# Altium PCB MB1191.PcbDoc (part 5 of 7)
Units mm, origin at the board's own origin, x right, y up, seen from the top; angles counter-clockwise.
Board outline 130 x 80 mm, 8 copper layers (Top, F2, F3, F4, F5, F6, F7, Bottom), stack 1.115 mm thick; 358 components, 347 nets, 1452 pads, 1074 vias.
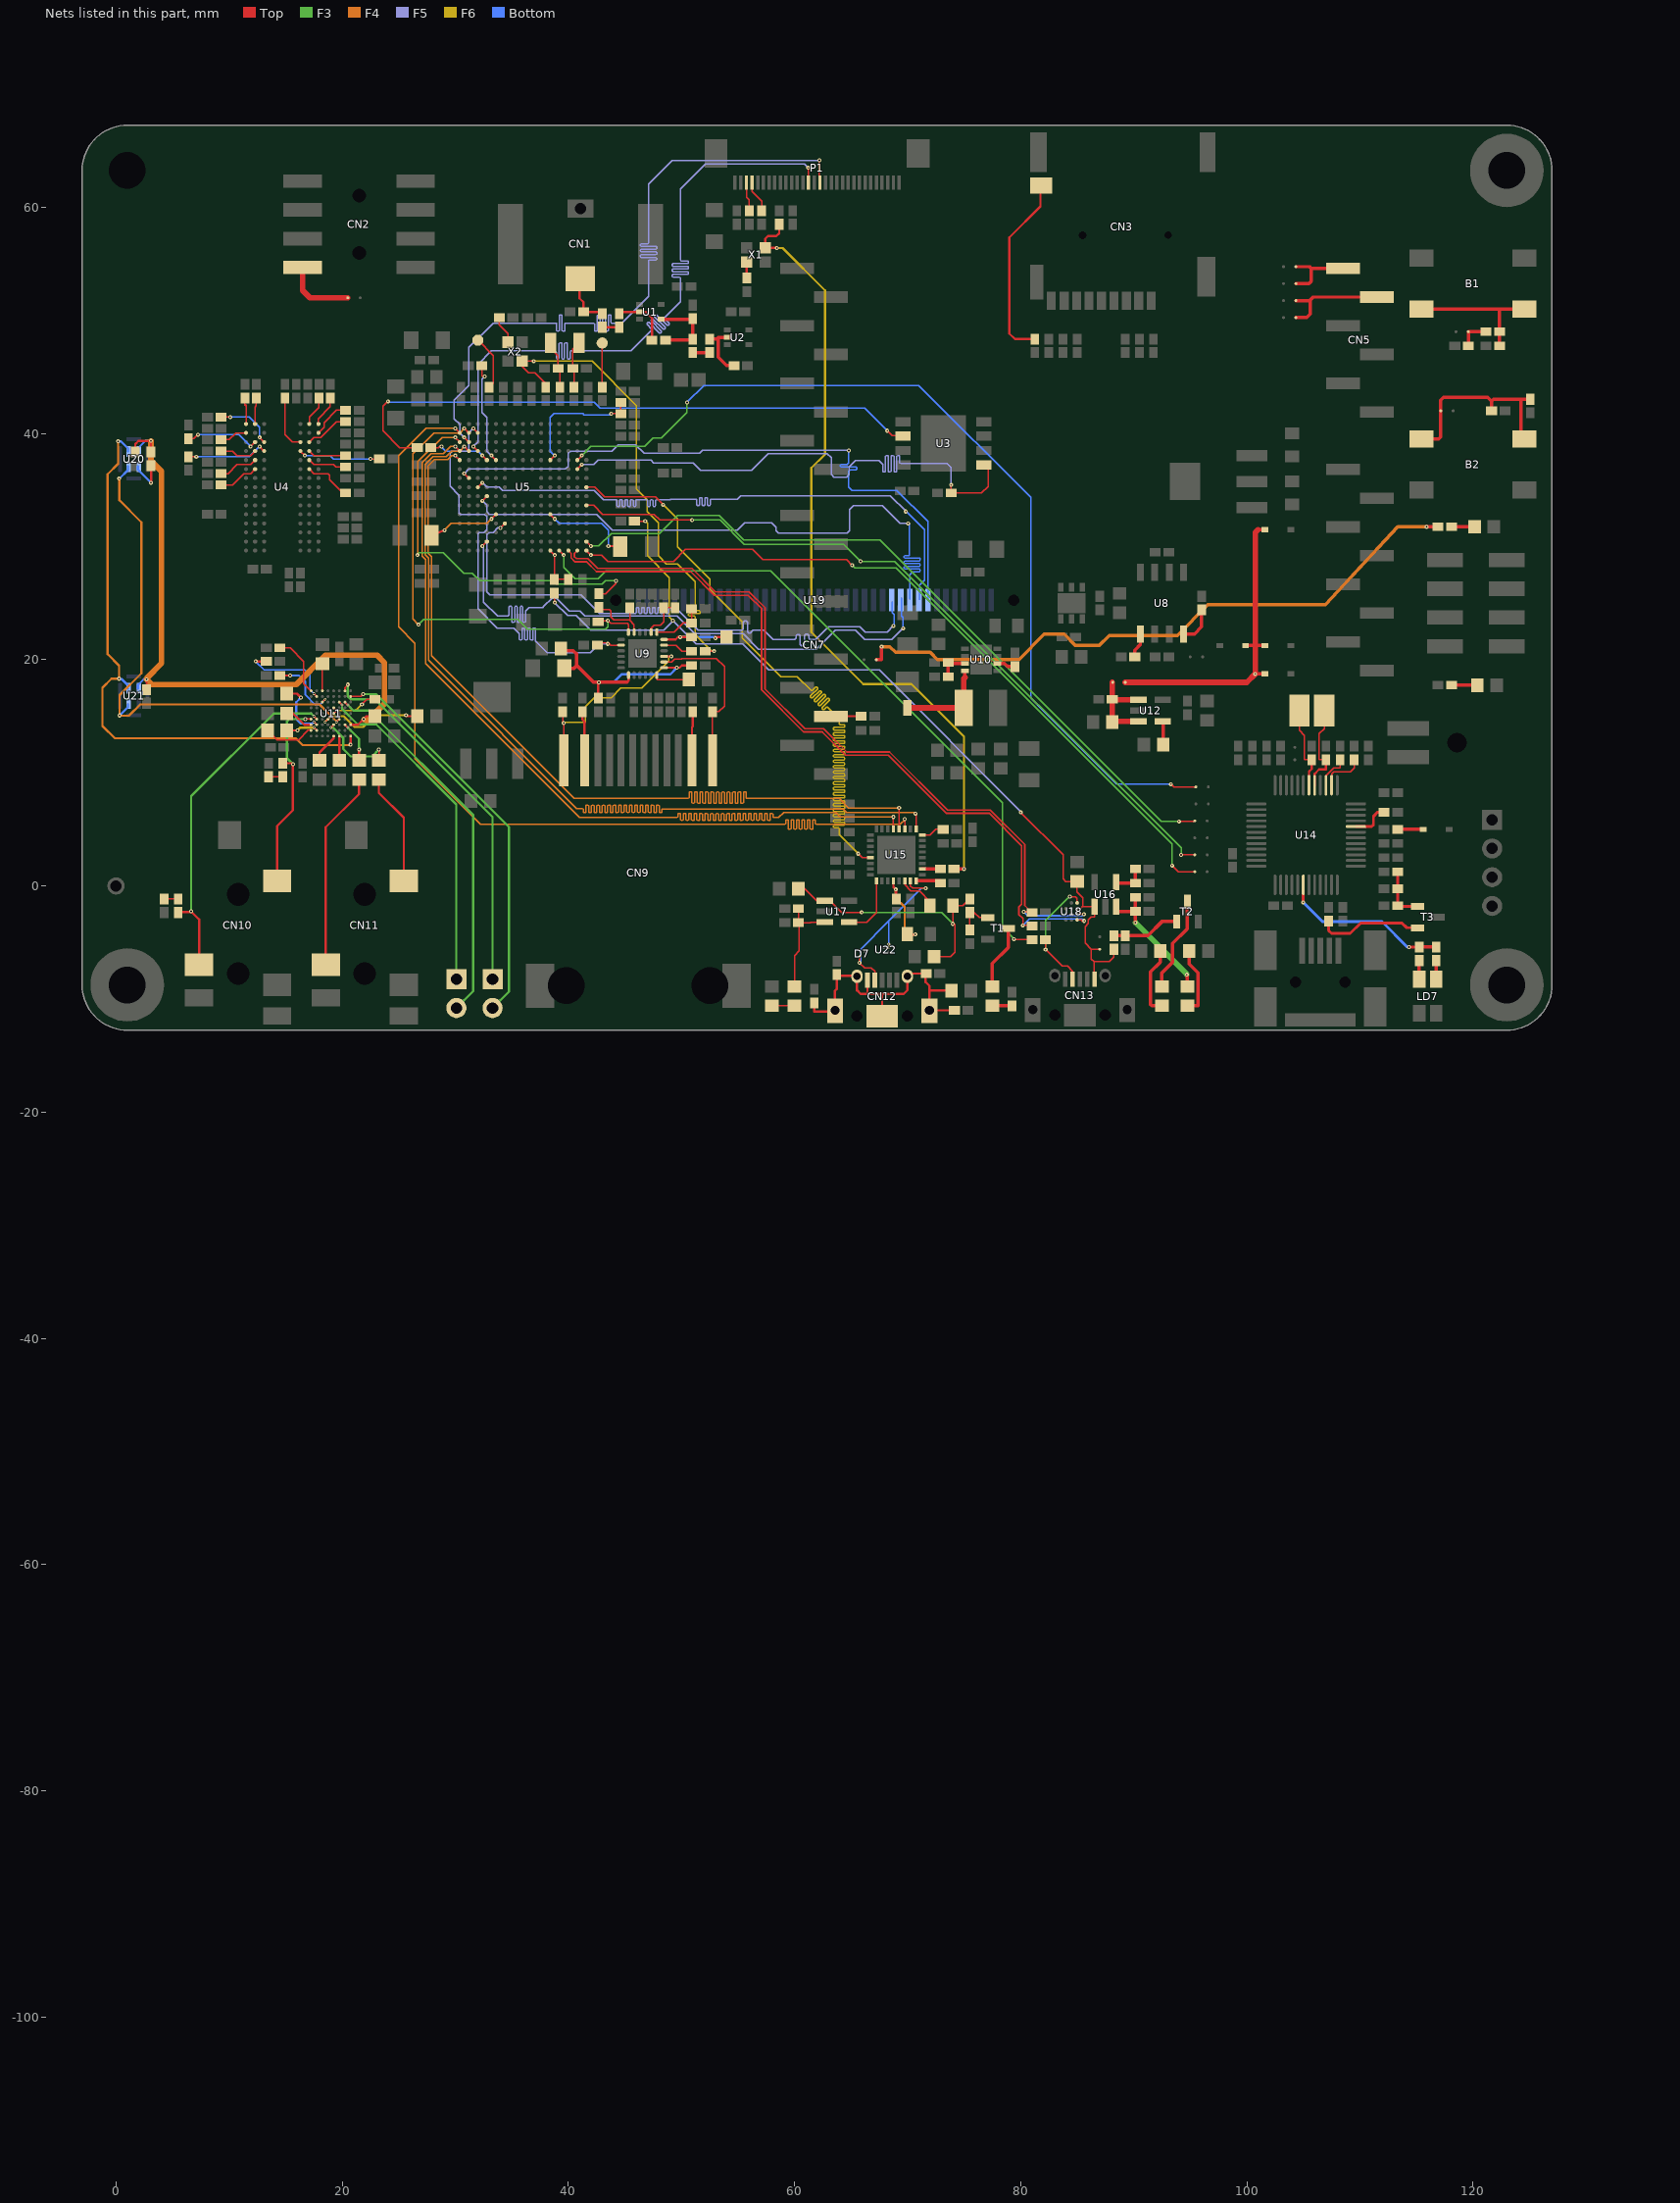
[diagram p11: the nets of this part, all layers, seen from the top]

## Via types
v1: diameter 0.35, hole 0.15, Top to Bottom, tented both sides, 1046 vias
v2: diameter 0.25, hole 0.1, Top to Bottom, tented both sides, 26 vias
v3: diameter 0.3, hole 0.1, Top to Bottom, tented both sides, 2 vias

## Nets (pads, with @x,y where several pads share a name; then routed paths per layer and width w, separated by ;. In a path a pad name is that pad's centre, name@x,y a point inside that pad or via, vN(x,y) a via of type N, cw(c..) or ccw(c..) an arc to the next point about the centre after c; other vN are vias at no path point) (continued)
LCD_R3: U5.P7 U19.8 | length 57.7
  Top w0.12: v1(30.8,36.45) U5.P7@31.2,36.05
  F5 w0.12: v1(30.8,36.45) 31.2,36.85 39.75,36.85 40,37.1 40,38.25 40.2,38.45 43.85,38.45 44.4,39 45.95,39 46.7,38.25 51.61,38.25 51.87,38.51 64.8,38.51 v1(64.8,38.5)
  Bottom w0.12: v1(64.8,38.5) 64.79,38.49 64.79,37.4 64.66,37.27 64.13,37.27 64.07,37.21 64.07,37.09 64.13,37.03 65.45,37.03 65.51,36.97 65.51,36.85 65.45,36.79 64.92,36.79 64.79,36.66 64.79,35.25 65.07,34.97 69.05,34.97 71.8,32.22 U19.8@71.8,25.348
LCD_R4: U5.N8 U19.9 | length 58.1
  Top w0.12: U5.N8@32,35.25 32.375,35.625 32.4,35.6 v1(32.4,35.65)
  F5 w0.12: v1(32.4,35.65) 32.8,35.25 33.9,35.25 34.2,34.95 42.3,34.95 43.1,34.15 44.24,34.15 44.3,34.09 44.3,33.6 44.36,33.54 44.48,33.54 44.54,33.6 44.54,34.09 44.6,34.15 44.72,34.15 44.78,34.09 44.78,33.6 44.84,33.54 44.96,33.54 45.02,33.6 45.02,34.09 45.08,34.15 45.2,34.15 45.26,34.09 45.26,33.6 45.32,33.54 45.44,33.54 45.5,33.6 45.5,34.09 45.56,34.15 45.68,34.15 45.74,34.09 45.74,33.6 45.8,33.54 45.92,33.54 45.98,33.6 45.98,34.09 46.04,34.15 46.94,34.15 47,34.09 47,33.6 47.06,33.54 47.18,33.54 47.24,33.6 47.24,34.09 47.3,34.15 47.42,34.15 47.48,34.09 47.48,33.6 47.54,33.54 47.66,33.54 47.72,33.6 47.72,34.09 47.78,34.15 49,34.15 49.05,34.2 51.3,34.2 51.36,34.14 51.36,33.69 51.42,33.63 51.54,33.63 51.6,33.69 51.6,34.25 51.66,34.31 51.78,34.31 51.84,34.25 51.84,33.69 51.9,33.63 52.02,33.63 52.08,33.69 52.08,34.25 52.14,34.31 52.26,34.31 52.32,34.25 52.32,33.69 52.38,33.63 52.5,33.63 52.56,33.69 52.56,34.14 52.62,34.2 54.95,34.2 55.25,34.5 68.48,34.5 69.88,33.1 v1(69.85,33.1)
  Bottom w0.12: v1(69.85,33.1) 69.9,33.1 71.5,31.5 71.5,27.046 71.05,26.596 U19.9@71.05,25.298
LCD_R5: U5.M9 U19.10 | length 58
  Top w0.12: v1(32.4,34.05) U5.M9@32.8,34.45
  F5 w0.12: v1(32.4,34.05) 32.8,33.65 32.8,33.08 33.03,32.85 42.5,32.85 43.9,31.45 54.94,31.45 55.61,32.12 57.96,32.12 58.38,31.7 58.38,31.4 58.6,31.18 64.66,31.18 64.87,31.39 64.87,33.26 65.23,33.62 67.77,33.62 69.34,32.05 v1(70.05,32.05)
  Bottom w0.12: v1(70.05,32.05) 70.14,32.05 70.14,29.22 69.75,29.22 69.69,29.16 69.69,29.04 69.75,28.98 71.06,28.98 71.12,28.92 71.12,28.8 71.06,28.74 69.75,28.74 69.69,28.68 69.69,28.56 69.75,28.5 71.06,28.5 71.12,28.44 71.12,28.32 71.06,28.26 69.75,28.26 69.69,28.2 69.69,28.08 69.75,28.02 71.06,28.02 71.12,27.96 71.12,27.84 71.06,27.78 70.464,27.78 70.2,27.516 U19.10@70.2,25.348
LCD_R6: U5.M14 U19.11 | length 58.3
  Top w0.12: v1(32.4,30.05) U5.M14@32.8,30.45
  F5 w0.12: v1(32.4,30.05) 32.5,29.95 32.5,25.1 33.75,23.85 34.65,23.85 34.77,23.97 34.77,24.66 34.83,24.72 34.95,24.72 35.01,24.66 35.01,23.35 35.07,23.29 35.19,23.29 35.25,23.35 35.25,24.67 35.31,24.73 35.43,24.73 35.49,24.67 35.49,23.35 35.55,23.29 35.67,23.29 35.73,23.35 35.73,24.67 35.79,24.73 35.91,24.73 35.97,24.67 35.97,23.35 36.03,23.29 36.15,23.29 36.21,23.35 36.21,24.29 36.54,24.62 37.74,24.62 37.84,24.72 38.57,25.45 38.95,25.45 40.1,24.3 41.05,24.3 41.49,23.86 49.62,23.86 51.18,22.3 55.46,22.3 56.82,20.94 61.94,20.94 63.6,22.6 65.4,22.6 66.2,21.8 68.6,21.8 69.58,22.78 v1(69.604,22.78)
  Bottom w0.12: U19.11@69.45,25.475 69.45,23.878 69.604,23.724 v1(69.604,22.78)
LCD_R7: U5.K12 U19.12 | length 58
  Top w0.12: v1(34,31.65) U5.K12@34.4,32.05
  F5 w0.12: v1(34,31.65) 33.75,31.65 33.35,31.25 33,31.25 32.8,31.05 32.8,26.01 33.07,25.74 41.112,25.74 41.605,25.247 41.605,25.245 42.75,24.1 45.94,24.1 46,24.16 46,24.55 46.06,24.61 46.18,24.61 46.24,24.55 46.24,24.16 46.3,24.1 46.42,24.1 46.48,24.16 46.48,24.55 46.54,24.61 46.66,24.61 46.72,24.55 46.72,24.16 46.78,24.1 46.9,24.1 46.96,24.16 46.96,24.55 47.02,24.61 47.14,24.61 47.2,24.55 47.2,24.16 47.26,24.1 47.38,24.1 47.44,24.16 47.44,24.55 47.5,24.61 47.62,24.61 47.68,24.55 47.68,24.16 47.74,24.1 47.86,24.1 47.92,24.16 47.92,24.55 47.98,24.61 48.1,24.61 48.16,24.55 48.16,24.16 48.22,24.1 48.34,24.1 48.4,24.16 48.4,24.55 48.46,24.61 48.58,24.61 48.64,24.55 48.64,24.16 48.7,24.1 48.82,24.1 48.88,24.16 48.88,24.55 48.94,24.61 49.06,24.61 49.12,24.55 49.12,24.35 49.18,24.29 49.81,24.29 51.5,22.6 53.875,22.6 54.775,22.6 54.9,22.6 55.353,22.6 55.465,22.712 55.465,23.315 55.577,23.427 55.727,23.427 55.839,23.315 55.839,22.6 55.839,22.473 55.951,22.361 56.101,22.361 56.213,22.473 56.213,22.488 56.325,22.6 56.4,22.6 57.3,22.6 58.1,21.8 59.95,21.8 60.025,21.8 60.137,21.912 60.137,22.128 60.249,22.24 60.399,22.24 60.511,22.128 60.511,21.8 60.511,21.342 60.623,21.23 60.773,21.23 60.885,21.342 60.885,21.8 60.885,22.139 60.997,22.251 61.147,22.251 61.259,22.139 61.259,21.912 61.371,21.8 61.375,21.8 61.9,21.8 63,22.9 65.8,22.9 66.26,22.44 68.19,22.44 v1(68.75,23)
  Bottom w0.12: U19.12@68.628,25.138 68.628,24.172 68.804,23.996 68.804,23.054 v1(68.75,23)
LED_STLINK: R138.1 R139.2 U14.30 | length 14.9
  Top w0.25: v1(105,-1.45) U14.30@105,0.1 ; v1(114.35,-5.4) R138.1@115.25,-5.4
  Top w0.3: R138.1@115.25,-5.4 R139.2@116.75,-5.4
  Bottom w0.25: v1(105,-1.45) 106.7,-3.15 111.95,-3.15 114.2,-5.4 v1(114.35,-5.4)
MIC_CLK: U11.C6 U20.3 U21.3 | length 45.9
  Top w0.12: v2(19.5,14.5) U11.C6@19.75,14.75
  F4 w0.2: v1(0.29,36.01) 0.29,34.11 2.25,32.15 2.25,18.8 0.32,16.87 v1(0.32,15.07) 0.32,15.05 1.15,15.05 2.15,16.05 18,16.05 19.5,14.55 v2(19.5,14.5)
  Bottom w0.2: v1(0.29,36.01) 1.05,36.77 U20.3@1.05,37.075 ; v1(0.32,15.07) 1.05,15.8 U21.3@1.05,16.075
MIC_DATA: U11.A9 U20.4 U21.4 | length 53.1
  Top w0.2: v1(20.75,12.5) U11.A9@20.75,13.25
  F4 w0.2: v1(0.18,39.3) 0.18,37.33 -0.75,36.4 -0.75,20.5 0.27,19.48 v1(0.27,18.32) -0.4,18.32 -1.2,17.52 -1.2,14.15 -0.1,13.05 15.9,13.05 16.5,12.45 20.7,12.45 v1(20.75,12.5)
  Bottom w0.2: v1(0.18,39.3) 0.45,39.3 1.05,38.7 U20.4@1.05,38.425 ; v1(0.27,18.32) 0.3,18.29 0.496,18.29 1.05,17.736 U21.4@1.05,17.425
MIC_VDD: C30.1 C77.1 C88.2 R47.2 U11.A7 U20.1 U21.1 | length 60.2
  Top w0.2: C30.1@1.7,38.35 1.7,39.06 1.99,39.35 v1(3.09,39.35) 3.09,38.36 R47.2@3.1,38.35 ; C77.1@2.7,17.35 v1(2.7,18.27) ; U11.A7@20.75,14.25 21.4,14.25 v1(21.9,14.75) 22.15,15 C88.2@22.9,15
  F4 w0.5: v1(2.7,18.27) v1@2.72,18.25 ; v1(3.09,39.35) 3.09,37.6 4.03,36.66 4.03,19.68 2.72,18.37 v1@2.72,18.25 ; v1@21.94,14.71 22.35,14.71 23.75,16.11 23.75,19.74 23.09,20.4 18.53,20.4 15.94,17.81 3.16,17.81 v1@2.72,18.25
  Bottom w0.2: U21.1@1.95,17.425 1.95,17.75 2.47,18.27 v1(2.7,18.27) ; U20.1@1.95,38.425 1.95,38.7 2.6,39.35 v1(3.09,39.35)
NetB1_2: B1.2 B1.3 R18.2 R19.2 | length 12.4
  Top w0.3: B1.2@115.45,51 122.35,51 ; R19.2@122.35,47.75 R18.2@122.35,49 122.35,51 ; B1.3@124.55,51 122.35,51
NetB2_1: B2.1 B2.4 C25.2 R39.1 SB7.2 | length 17.8
  Top w0.3: B2.1@115.45,39.5 116.95,39.5 117.15,39.7 SB7.2@117.15,42 117.15,42.95 117.4,43.2 121.3,43.2 121.65,42.85 ; C25.2@121.65,42 121.65,42.85 ; B2.4@124.55,39.5 124.25,39.8 124.25,43.021 ; R39.1@125.071,43.021 124.25,43.021 ; 121.65,42.85 121.821,43.021 124.25,43.021
NetC6_1: C6.1 CN1.2 R6.2 | length 4.7
  Top w0.2: CN1.2@41,53.6 41,51.95 41.35,51.6 R6.2@41.35,50.75 42.85,50.75 C6.1@43,50.6
NetC6_2: C6.2 R7.1 | length 1.5
  Top w0.2: C6.2@43,49.4 R7.1@44.5,49.4
NetC9_1: C9.1 R8.1 R9.2 U1.4 | length 7
  Top w0.3: U1.4@48.2,50.1 R8.1@51,50.1 ; R9.2@48.6,48.25 50.9,48.25 C9.1@51,48.35 R8.1@51,50.1 ; R8.1@51,50.15 R8.1@51,50.1
NetC9_2: C9.2 R10.1 | length 1.5
  Top w0.3: C9.2@51,47.15 R10.1@52.5,47.15
NetC10_2: C10.2 R18.1 SB6.2 | length 2.8
  Top w0.3: C10.2@119.6,47.75 SB6.2@119.6,49 R18.1@121.15,49
NetC12_2: C12.2 R31.1 X3.2 | length 4.3
  Top w0.12: X3.2@38.45,48 38.45,47.55 39.1,46.9 C12.2@39.1,45.75 39.25,45.75 R31.1@39.25,44.1
NetC13_2: C13.2 R32.1 X3.1 | length 4.2
  Top w0.12: R32.1@40.5,44.1 40.5,45.75 C13.2@40.4,45.75 40.4,47.45 X3.1@40.95,48
NetC47_2: C47.2 U5.L11 | length 6.4
  Top w0.12: v1(33.2,32.45) U5.L11@33.6,32.85
  Top w0.2: C47.2@27.897,31 v1(29.05,31.45)
  F4 w0.12: v1(29.05,31.45) 29.65,32.05 32.8,32.05 v1(33.2,32.45)
NetC48_2: C48.2 U5.E11 | length 8.2
  Top w0.12: U5.E11@38.4,32.85 v1(38.8,32.45)
  Top w0.2: v1(43.55,30.05) 44.603,30.05 C48.2@44.603,30
  Bottom w0.12: v1(38.8,32.45) 39.2,32.05 42.95,32.05 43.55,31.45 v1(43.55,30.05)
NetC66_2: C66.2 C67.2 U9.6 | length 6.8
  Top w0.2: U9.6@48.472,21.789 49.489,21.789 49.7,22 v1(49.9,22) C66.2@50.9,22 ; v1(53,21.9) 53,22 C67.2@54,22
  Bottom w0.2: v1(49.9,22) 53,22 v1(53,21.9)
NetC69_2: C69.2 U11.F1 | length 2.4
  Top w0.12: U11.F1@18.25,17.25 18.25,19.63 C69.2@18.26,19.64
NetC73_1: C73.1 C74.2 C81.2 L2.1 U9.1 U9.19 | length 20.9
  Top w0.2: C81.2@42.65,16.6 42.65,17.95 v1(42.7,18) ; 45.2,18 45.322,18.122 U9.19@45.322,18.639 ; U9.1@48.472,19.289 v1(49.6,19.289) 49.839,19.289 50.05,19.5 C74.2@50.9,19.5
  Top w0.3: L2.1@39.35,21 39.545,20.805 40.445,20.805 40.75,20.5 40.75,19.5 ; C73.1@39.647,19.25 40.5,19.25 40.75,19.5 ; 45.2,18 42.75,18 v1(42.7,18) 42.25,18 40.75,19.5
  Bottom w0.2: v1(42.7,18) 44,18 44.7,18.7 49.011,18.7 v1(49.6,19.289)
NetC78_1: C78.1 U11.G7 | length 5.6
  Top w0.12: v2(17.5,14.5) U11.G7@17.75,14.25
  Top w0.2: C78.1@15.1,17 16,17 v1(16.35,16.65)
  Bottom w0.2: v1(16.35,16.65) 15.95,16.25 15.95,14.75 16.35,14.35 17.35,14.35 v2(17.5,14.5)
NetC80_1: C80.1 U11.H7 | length 2.6
  Top w0.2: C80.1@15.1,15.25 15.65,15.25 16.65,14.25 U11.H7@17.25,14.25
NetC84_2: C84.2 C91.2 SB10.2 U12.1 U12.3 | length 8.2
  Top w0.3: SB10.2@88.1,18 SB10.2@88.15,18
  Top w0.5: C91.2@88.1,14.5 C91.2@88.1,14.55 ; SB10.2@88.1,18 C84.2@88.1,16.5 C84.2@88.1,16.45 ; U12.3@90.425,14.55 C91.2@88.1,14.55 ; U12.1@90.425,16.45 C84.2@88.1,16.45 ; C91.2@88.1,14.55 C84.2@88.1,16.45
NetC87_1: C87.1 U11.H8 | length 4.6
  Top w0.12: C87.1@13.4,13.75 14.25,12.9 16.15,12.9 17,13.75 U11.H8@17.25,13.75
NetC87_2: C87.2 U11.G8 | length 2.9
  Top w0.12: v2(17.5,14) U11.G8@17.75,13.75
  Top w0.2: C87.2@15.1,13.75 v1(16.05,13.75)
  F6 w0.2: v1(16.05,13.75) 16.3,14 v2(17.5,14)
NetC89_1: C89.1 U11.E6 | length 9.6
  Top w0.12: v2(18.5,14.5) U11.E6@18.75,14.75
  Top w0.2: v1(25.65,15.1) 25.75,15 C89.1@26.65,15
  F6 w0.2: v2(18.5,14.5) 19,15 20.15,15 21.1,14.05 21.85,14.05 22.9,15.1 v1(25.65,15.1)
NetC94_2: C94.2 U12.4 | length 2.1
  Top w0.3: U12.4@92.575,14.55 92.6,14.55 C94.2@92.6,12.5
NetC102_1: C102.1 CN10.6 U11.H6 | length 18
  Top w0.12: v1(16.75,14.75) U11.H6@17.25,14.75
  Top w0.2: CN10.6@14.25,0.45 14.25,5.3 15.65,6.7 v1(15.65,10.75) 15.55,10.85 C102.1@14.75,10.85
  F3 w0.2: v1(15.65,10.75) 15.13,11.27 15.13,14.56 15.32,14.75 v1(16.75,14.75)
NetC102_2: C102.2 R102.1 | length 1.3
  Top w0.12: R102.1@13.5,9.65 C102.2@14.75,9.65
NetC104_1: C104.1 U11.D9 | length 2.7
  Top w0.2: C104.1@18,11.1 18,11.8 19.25,13.05 U11.D9@19.25,13.25
NetC105_2: C105.2 U11.C9 | length 2.2
  Top w0.12: C105.2@19.75,11.1 19.8,11.1 C105.2@19.75,11.15
  Top w0.2: C105.2@19.75,11.15 U11.C9@19.75,13.25
NetC106_1: C106.1 U11.B7 | length 3.7
  Top w0.12: U11.B7@20.25,14.25 v2(20.5,14)
  Top w0.2: C106.1@21.5,11.1 v1(21.5,12.05)
  F3 w0.2: v2(20.5,14) 21.5,13 v1(21.5,12.05)
NetC106_2: C106.2 CN11.4 | length 17.6
  Top w0.12: CN11.4@18.55,-6.95 CN11.4@18.55,-6.46
  Top w0.2: CN11.4@18.55,-6.46 18.55,5.19 21.5,8.14 C106.2@21.5,9.4
NetC107_1: C107.1 U11.D7 | length 7.4
  Top w0.12: v2(19,14) U11.D7@19.25,14.25 ; C107.1@23.25,11.1 v1(23.25,12.05)
  F3 w0.2: v2(19,14) 19.2,14 20.09,13.11 20.09,12.13 20.76,11.46 22.66,11.46 v1(23.25,12.05)
NetC107_2: C107.2 CN11.6 | length 9.9
  Top w0.2: C107.2@23.25,9.4 23.25,8.23 25.45,6.03 CN11.6@25.45,0.45
NetC114_1: C114.1 L6.1 R123.2 R124.1 U17.1 | length 23
  Top w0.12: C114.1@60.35,-0.25 60.9,-0.25 61.95,-1.3 U17.1@62.7,-1.3 ; U17.1@62.675,-1.3 U17.1@62.7,-1.3 ; v1(65.95,-2.35) 64.19,-2.35 63.14,-1.3 U17.1@62.7,-1.3 ; L6.1@72.35,-6.25 73.8,-6.25 74.2,-5.85 74.2,-3.45 v1@74,-3.25 ; v1(74,-3.35) v1@74,-3.25 ; R124.1@75.5,-1.15 74.9,-1.75 R123.2@74.016,-1.75 74,-1.75 v1@74,-3.25
  F3 w0.12: v1(65.95,-2.35) 73,-2.35 v1(74,-3.35)
NetC115_1: C115.1 CN10.4 U11.G6 | length 30.8
  Top w0.12: C115.1@5.5,-2.35 C115.1@5.57,-2.28 ; v1(6.65,-2.25) v1@6.7,-2.3 ; v2(17.5,15) U11.G6@17.75,14.75
  Top w0.2: C115.1@5.57,-2.28 5.59,-2.3 6.7,-2.3 7.35,-2.95 CN10.4@7.35,-6.95
  F3 w0.2: v1(6.65,-2.25) 6.65,7.94 13.96,15.25 17.25,15.25 v2(17.5,15)
NetC115_2: C115.2 R121.1 | length 1.3
  Top w0.12: R121.1@4.25,-1.15 C115.2@5.5,-1.15
NetC116_2: C116.2 C119.2 U15.20 | length 8.4
  Top w0.2: U15.20@68.75,0.45 68.75,-0.05 ; v1(68.95,-0.31) 68.94,-0.31 68.75,-0.12 68.75,-0.05 ; C116.2@69,-1.05 69,-0.3 68.75,-0.05 ; C119.2@69.603,-4.25 69.603,-4.29 v1(70.69,-4.29)
  Top w0.3: C116.2@69,-1.15 68.9,-1.15 C116.2@69,-1.05
  F4 w0.2: v1(68.95,-0.31) 68.95,-1.05 69.75,-1.85 69.75,-4.06 69.98,-4.29 v1(70.69,-4.29)
NetC120_2: C120.2 C121.2 C122.2 C123.2 CN12.5 CN12.6 L7.2 | length 27.5
  Top w0.2: C122.2@61.75,-10.35 61.75,-11.1 63.582,-11.1 63.582,-9.268 63.75,-9.1 C120.2@63.75,-7.85 63.85,-7.95 65.49,-7.95 CN12.6@65.532,-7.993 65.532,-9.232 65.85,-9.55 66.457,-9.55 ; CN12.5@66.457,-8.318 66.457,-9.55 ; CN12.6@67.757,-11.517 67.757,-9.55 ; C121.2@71.65,-7.75 C121.2@71.6,-7.75 ; L7.2@73.9,-9.25 71.932,-9.25 ; C123.2@74.15,-11 74.132,-11.018 CN12.6@71.932,-10.993 71.932,-9.25 ; 66.457,-9.55 67.757,-9.55 ; 67.757,-9.55 69.65,-9.55 69.982,-9.218 CN12.6@69.982,-7.993 70.225,-7.75 C121.2@71.6,-7.75 ; C121.2@71.6,-7.75 71.6,-8.5 71.932,-8.832 71.932,-9.25
NetCN2_8: CN2.8 SB2.1 | length 6.3
  Top w0.5: CN2.8@16.5,54.69 16.5,52.65 17.15,52 SB2.1@20.5,52
NetCN3_10: CN3.10 R11.2 | length 16.3
  Top w0.2: R11.2@81.25,48.35 79.5,48.35 79.01,48.84 79.01,57.33 81.75,60.07 CN3.10@81.75,61.575
NetCN5_5: CN5.5 SB4.2 SB5.2 | length 9.9
  Top w0.3: SB5.2@104.35,50.25 105.3,50.25 105.6,50.55 105.6,51.75 ; SB4.2@104.35,51.75 105.6,51.75 ; CN5.5@111.5,52.06 105.86,52.06 105.6,51.8 105.6,51.75
NetCN5_6: CN5.6 SB1.2 SB3.2 | length 6.8
  Top w0.3: SB3.2@104.35,53.25 105.5,53.25 105.7,53.45 105.7,54.5 105.8,54.6 ; SB1.2@104.35,54.75 105.55,54.75 105.7,54.6 105.8,54.6 ; CN5.6@108.5,54.6 105.8,54.6
NetCN7_8: CN7.8 R96.1 | length 2.7
  Top w0.2: CN7.8@63.24,14.976 63.24,15 R96.1@65.9,15
NetCN9_1: CN9.1 R95.2 U9.2 | length 14.8
  Top w0.12: U9.2@48.472,19.789 49.139,19.789 49.4,20.05 50,20.05 50.05,20.1 53.1,20.1 53.8,19.4 53.8,15.9 53.3,15.4 R95.2@52.75,15.4 52.75,11.114 CN9.1@52.764,11.099
NetCN9_2: CN9.2 R94.2 | length 4.3
  Top w0.2: CN9.2@50.936,11.099 50.936,14.036 51,14.1 R94.2@51,15.4
NetCN9_11: CN9.11 R89.2 | length 4.4
  Top w0.2: R89.2@41.25,15.4 41.25,14.699 41.436,14.513 CN9.11@41.436,11.099
NetCN9_12: CN9.12 R88.2 U9.3 | length 18
  Top w0.12: R88.2@39.5,15.4 39.5,14.507 v1@39.6,14.407 ; v1(39.6,14.4) v1@39.6,14.407 ; CN9.12@39.607,11.099 v1@39.607,14.4 ; v1@39.6,14.407 39.6,14.45 39.607,14.45 v1@39.607,14.4 ; v1@39.6,14.407 v1@39.607,14.4
  Top w0.2: U9.3@48.472,20.289 49.1,20.289 v1(49.1,20.3)
  F6 w0.12: v1(39.6,14.4) 39.6,14.45 41.45,14.45 41.5,14.5 41.5,15.85 42.3,16.65 43.8,16.65 44.65,17.5 46.5,17.5 48.9,19.9 48.9,20.2 49,20.3 v1(49.1,20.3)
NetCN12_4: CN12.4 D7.A2 U15.23 U22.B2 | length 16.6
  Top w0.12: v1@65.8,-6.75 v1(65.75,-6.8) ; D7.A2@65.8,-6.2 65.8,-6.45 65.75,-6.5 v1(65.75,-6.8) ; CN12.4@67.107,-8.318 67.107,-7.557 66.8,-7.25 66.2,-7.25 v1(65.75,-6.8) ; U22.B2@68.3,-5.45 68.304,-5.446 68.304,-5.171 v3(68.325,-5.15) ; U15.23@70.25,0.45 70.25,0 70.45,-0.2 v1(71.6,-0.2)
  Bottom w0.12: v1(65.75,-6.8) 65.85,-6.8 65.85,-5.6 68.3,-3.15 ; v3(68.325,-5.15) 68.325,-3.175 68.3,-3.15 ; v1(71.6,-0.2) 71.25,-0.2 68.3,-3.15
NetCN13_4: CN13.4 R133.2 U18.A3 | length 11.6
  Top w0.12: R133.2@82.2,-4.75 v1@82.2,-5.62 ; v1(82.21,-5.64) 82.2,-5.64 v1@82.2,-5.62 ; v1(84.35,-0.95) 84.85,-0.95 85,-1.1 U18.A3@85,-1.5 ; CN13.4@84.6,-8.25 84.6,-7.55 84.14,-7.09 83.67,-7.09 v1@82.2,-5.62
  F3 w0.12: v1(82.21,-5.64) 82.21,-3.04 84.325,-0.925 84.35,-0.9 v1(84.35,-0.95)
NetD1_2: D1.2 D2.2 D3.2 D4.2 SB10.1 | length 27.8
  Top w0.12: D3.2@101.5,21.25 D3.2@101.607,21.25
  Top w0.3: D2.2@99.893,21.25 100.75,21.25 D3.2@101.5,21.25 ; v1(100.75,18.75) D4.2@101.607,18.75 ; 101,31.5 D1.2@101.607,31.5
  Top w0.5: SB10.1@89.25,18 100,18 v1(100.75,18.75) 100.75,21.25 100.75,31.25 101,31.5
NetD5_1: D5.1 L3.2 U10.8 | length 8.3
  Top w0.3: D5.1@70,15.74 70.02,15.76 D5.1@70.029,15.75 ; 75.075,18.43 U10.8@75.075,19.025
  Top w0.5: D5.1@70.029,15.75 L3.2@74.976,15.75 74.976,18.331 75.075,18.43
NetD6_2: D6.2 R108.2 | length 2.3
  Top w0.3: R108.2@113.35,5 D6.2@115.607,5
NetJP3_1: JP3.1 U11.C3 | length 29.8
  Top w0.12: U11.C3@19.75,16.25 19.975,16.025 20,16.025 v2(20,16)
  F3 w0.2: v2(20,16) 20,15.65 21.35,14.3 23,14.3 30.1,7.2 JP3.1@30.1,-8.25
NetJP3_2: JP3.2 U11.B3 | length 33.2
  Top w0.12: U11.B3@20.25,16.25 v2(20.5,16)
  F3 w0.2: v2(20.5,16) 21,15.5 22.35,15.5 31.6,6.25 31.6,-9.29 JP3.2@30.1,-10.79
NetJP4_1: JP4.1 U11.B1 | length 33.3
  Top w0.15: U11.B1@20.25,17.25 20.25,17.55 v1(20.5,17.8)
  F3 w0.2: v1(20.5,17.8) 20.5,16.75 20.75,16.5 22.9,16.5 33.3,6.1 JP4.1@33.3,-8.25
NetJP4_2: JP4.2 U11.A2 | length 35.5
  Top w0.12: U11.A2@20.75,16.75 21.65,16.75 v1(21.85,16.95)
  F3 w0.2: v1(21.85,16.95) 23,16.95 34.75,5.2 34.75,-9.34 JP4.2@33.3,-10.79
NetLD1_1: LD1.1 R59.1 | length 2
  Top w0.3: R59.1@118.1,31.75 LD1.1@120.15,31.75
NetLD2_1: LD2.1 R86.2 | length 2.3
  Top w0.3: R86.2@118.1,17.75 LD2.1@120.4,17.75
NetLD3_1: LD3.1 R140.1 | length 2
  Top w0.12: R140.1@58,-10.6 LD3.1@60,-10.6
NetLD3_2: LD3.2 R122.2 R130.1 U17.3 | length 9.4
  Top w0.12: LD3.2@60,-8.9 60,-6.15 60.4,-5.75 R130.1@60.4,-3.25 ; R122.2@60.35,-2 R130.1@60.35,-3.25 R130.1@60.4,-3.25 ; U17.3@62.675,-3.2 61.45,-3.2 61.4,-3.25 R130.1@60.4,-3.25
NetLD4_1: LD4.1 R141.1 | length 1.7
  Top w0.3: LD4.1@77.5,-10.6 R141.1@79.25,-10.6
NetLD4_2: LD4.2 T1.3 | length 5.7
  Top w0.3: LD4.2@77.5,-8.9 77.5,-6.85 78.9,-5.45 T1.3@78.9,-3.75
NetLD5_1: LD5.1 R136.1 | length 6.1
  Top w0.3: R136.1@92.35,-5.75 92.35,-6.75 91.5,-7.6 91.5,-10.5 91.6,-10.6 LD5.1@92.5,-10.6
NetLD5_2: LD5.2 T2.3 | length 8.5
  Top w0.3: LD5.2@92.5,-8.9 92.5,-7.7 93.45,-6.75 93.45,-5.1 94.75,-3.8 T2.3@94.75,-1.35
NetLD6_1: LD6.1 R137.1 | length 6.1
  Top w0.3: LD6.1@94.75,-10.6 95.7,-10.6 95.7,-7.7 94.9,-6.9 R137.1@94.9,-5.75
NetLD6_2: LD6.2 R119.1 R126.1 U16.3 | length 12
  Top w0.3: U16.3@88.45,-1.825 88.45,-2.25 R126.1@90.15,-2.25 ; v1(90.15,-3.25) R126.1@90.15,-2.25 ; R119.1@90.15,-1 R126.1@90.15,-2.25 ; v1(94.7,-7.85) 94.75,-7.85 LD6.2@94.75,-8.9
  F3 w0.5: v1(90.15,-3.25) 94.7,-7.8 v1(94.7,-7.85)